# Altium PCB PCB1.PcbDoc (part 4 of 9)
Units mil, origin at the board's own origin, x right, y up, seen from the top; angles counter-clockwise.
Board outline 6000 x 4000 mil, 7 copper layers (Top Layer, InternalPlane1, MidLayer1, InternalPlane2, Internal Plane 3, MidLayer2, Bottom Layer); 389 components, 0 nets, 1750 pads, 1189 vias.
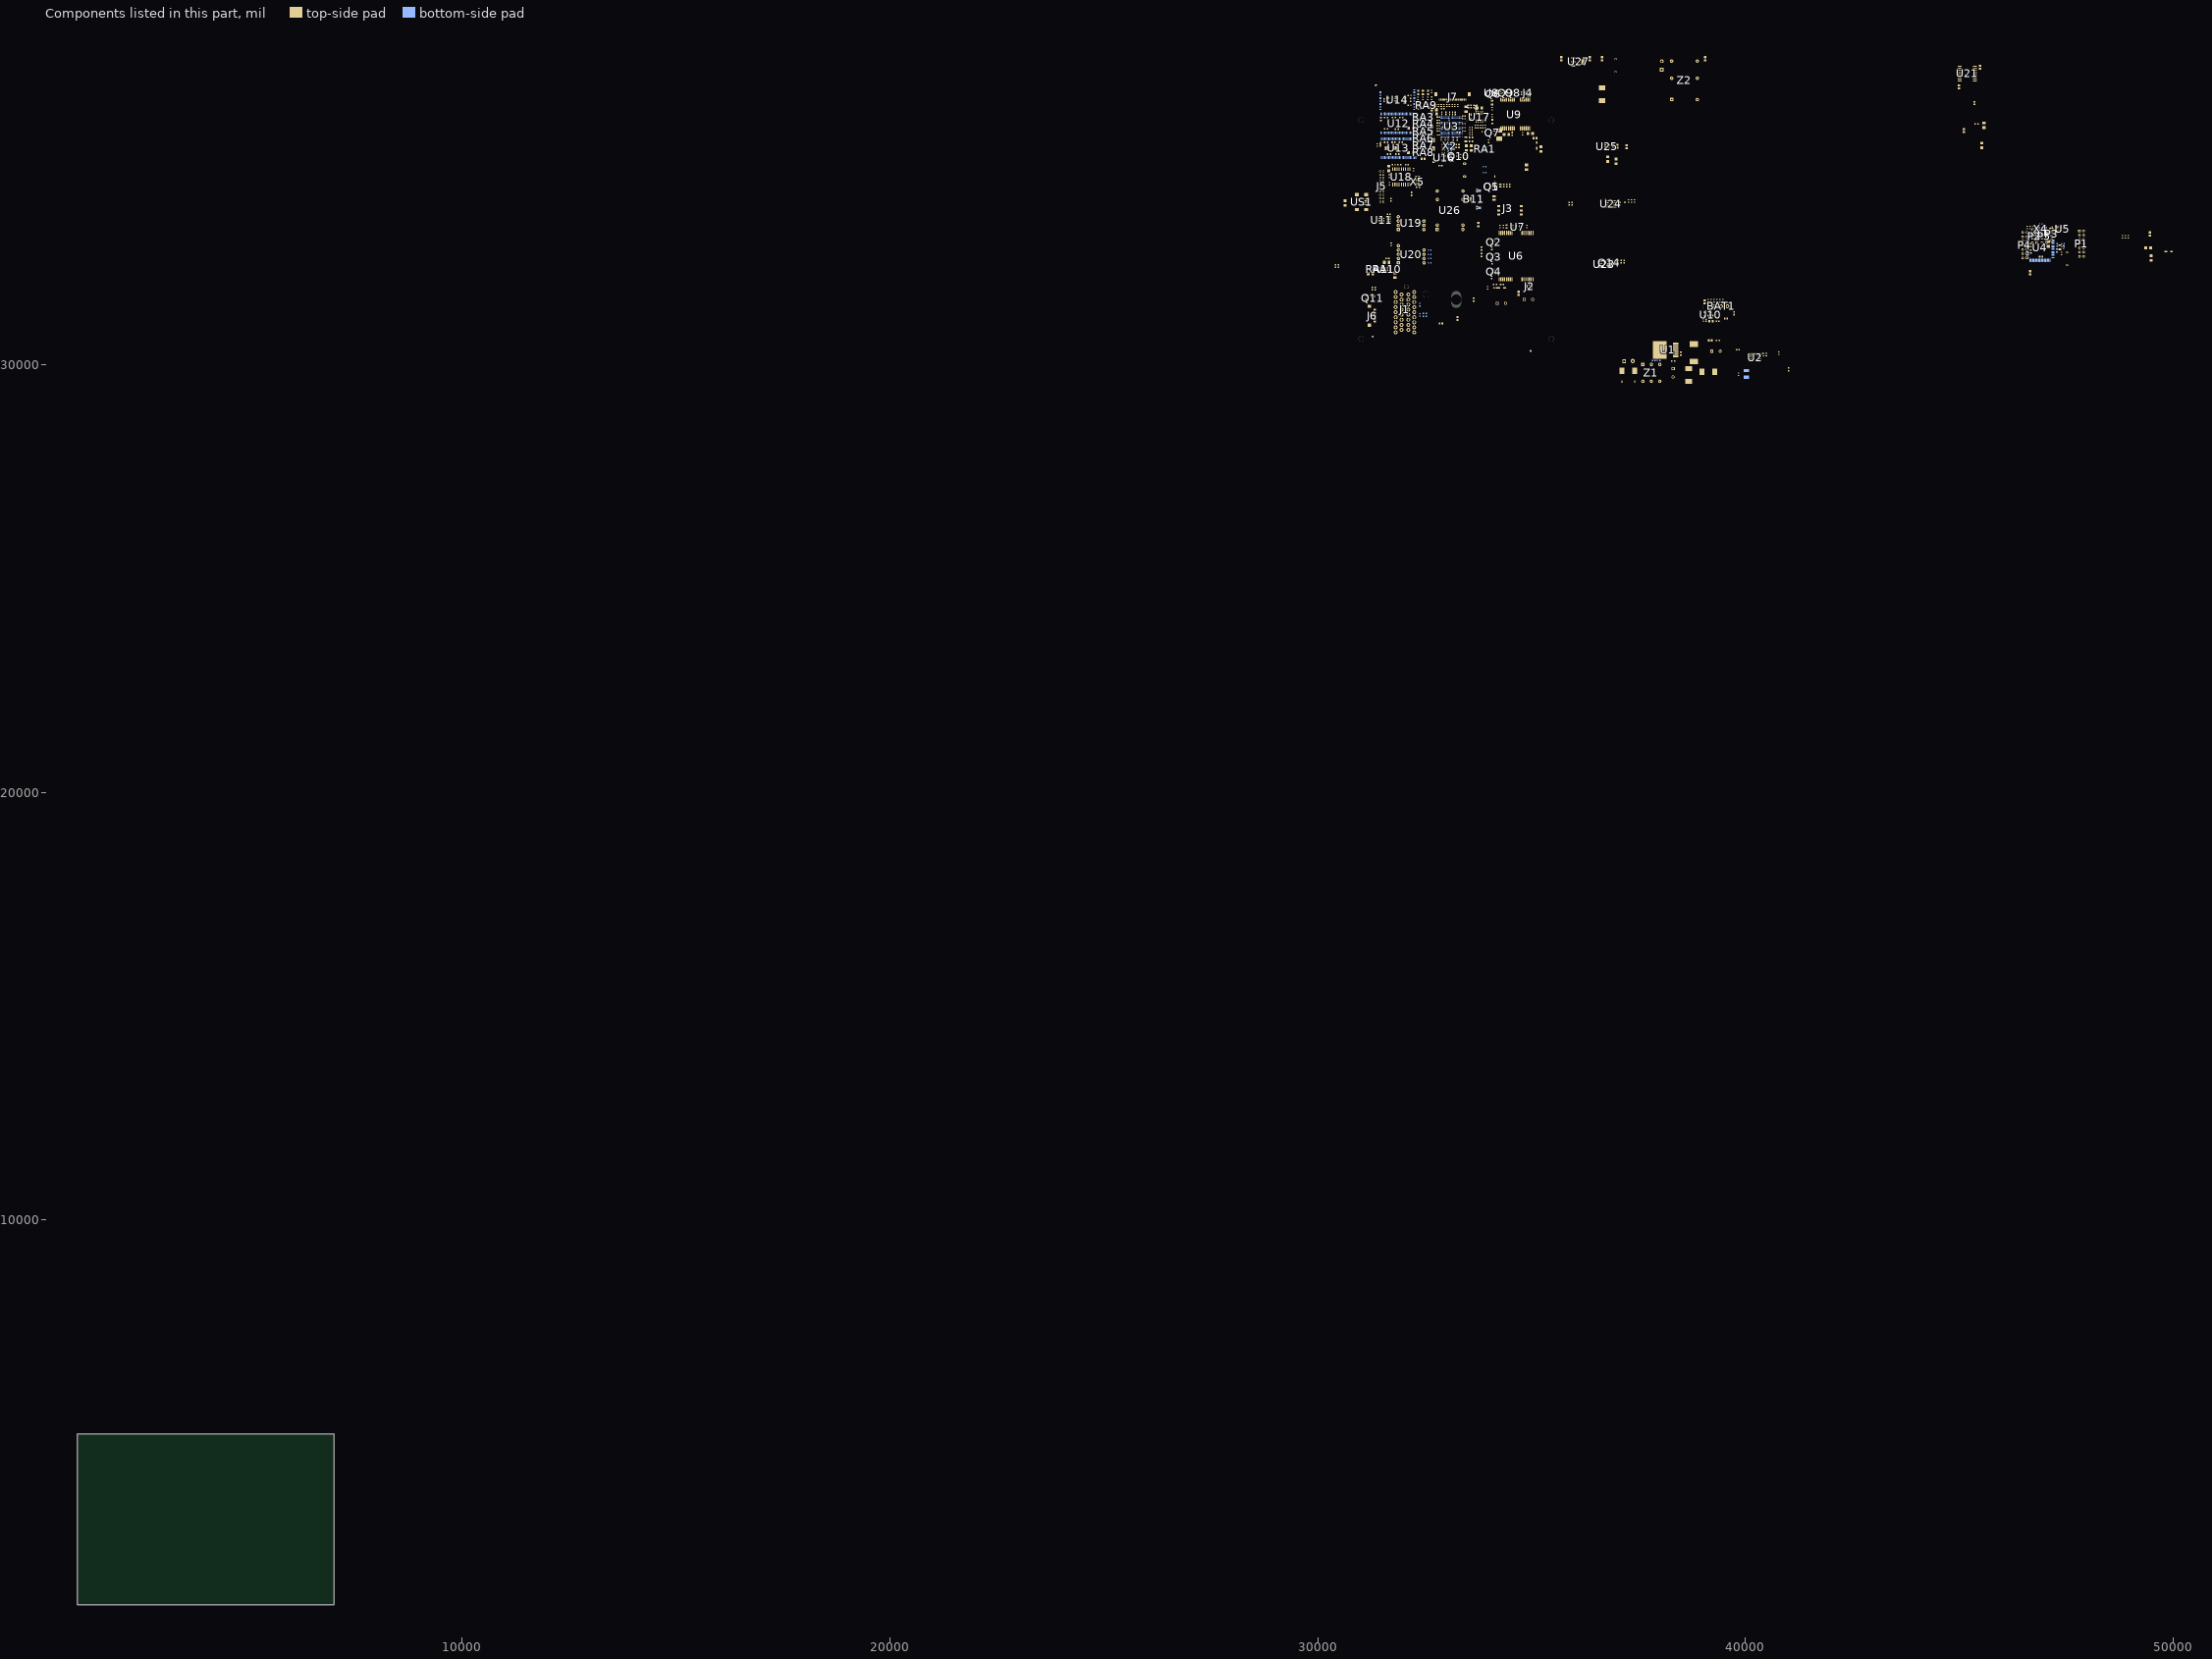
[diagram p9: the components of this part, seen from the top]

## Via types
v1: diameter 18, hole 10, Top Layer to Bottom Layer, tented both sides, 402 vias
v2: diameter 20, hole 10, Top Layer to Bottom Layer, tented both sides, 376 vias
v3: diameter 25, hole 15, Top Layer to Bottom Layer, tented both sides, 361 vias
v4: diameter 23.62, hole 11.81, Top Layer to Bottom Layer, tented both sides, 45 vias
v5: diameter 50, hole 28, Top Layer to Bottom Layer, tented both sides, 4 vias
v6: diameter 30, hole 15, Top Layer to Bottom Layer, tented both sides, 1 vias

## Nets (pads, with @x,y where several pads share a name; then routed paths per layer and width w, separated by ;. In a path a pad name is that pad's centre, name@x,y a point inside that pad or via, vN(x,y) a via of type N, cw(c..) or ccw(c..) an arc to the next point about the centre after c; other vN are vias at no path point) (continued)
copper on no net: (continued)
  Top Layer w25: 31463.53,33822.35 31542.27,33822.35 31544.22,33822.35 31545.56,33821.01 ; v1(31615.99,34540.93) 31667.58,34540.93 ; 31685.32,32423.37 v4(31722.72,32423.37) ; 31687.29,32379.08 31694.18,32372.19 v4(31722.72,32372.19) ; 31689.26,32388.92 31679.42,32398.76 ; v1(31715.81,33964.68) 31715.81,33918.88 31744.35,33947.43 ; v4(31722.72,32398.76) 31679.42,32398.76 ; 31735.49,33938.56 ccw(c31710.32,33963.72) v1@31745.91,33963.72 ; v1@31739.93,33961.25 ccw(c31773.31,33994.62) 31773.31,33947.43 ; v1@31745.07,33966 cw(c31734.68,33957.1) 31744.35,33947.43 ; 31807.37,32155.65 31884.14,32232.43 31884.14,32384 ; 31853.6,33856.88 31912.58,33856.88 32010.1,33954.39 32010.1,33965.14 ; 31853.6,33947.43 31744.35,33947.43 ; 31880.2,32381.05 31769.97,32491.28 31663.67,32491.28 31663.67,32414.51 31679.42,32398.76 ; 31946.12,34681.68 v1(31980.57,34681.68) ; 32053.41,34046.84 32010.1,34003.53 32010.1,33965.14 ; 32057.94,34222.03 32057.94,34284.63 32112.15,34338.85 32294.86,34338.85 32306.36,34327.35 32306.36,34402.15 ; 32107.94,34222.03 32107.94,34275.58 32126.79,34294.43 32179.83,34294.43 32284.22,34190.04 32328.51,34190.04 32369.35,34230.89 32369.35,34240.73 ; v5@32191.25,34088.74 cw(c32167.59,34065.09) 32201.05,34065.09 ; 32219.75,33851.95 32198.12,33873.58 32198.12,33965.14 32010.1,33965.14 ; v1(32268.98,34635.13) 32268.98,34601.95 32269.97,34600.97 32319.16,34600.97 ; v4(32408.72,34655.1) 32445.14,34655.1 ; v4@32444.65,34699.88 cw(c32464.86,34679.67) 32464.86,34708.25 ; v4(32480.57,34655.1) 32445.14,34655.1 ; 32482.54,34572.42 32525.85,34615.73 32611.48,34615.73 32617.38,34621.64 32617.38,34708.25 ; 32558.33,34708.25 32454,34708.25 v4(32445.14,34699.39) 32445.14,34655.1 ; v1(32615.68,35921.4) 32670.63,35921.4 32670.63,35968 ; v1(32615.68,35951.67) 32650.17,35951.67 32668.57,35970.06 ; v6(32650.85,35631.48) 32670.53,35611.8 32670.53,35566.52 ; v1(32656.23,34369.67) 32704.02,34369.67 ; v1(32715.81,34311.19) 32715.81,34369.67 32730.57,34354.91 32866.4,34354.91 32872.31,34349 32872.31,34486.8 ; 32801.03,35596.7 32801.03,35658.83 ; 32815.22,34658.06 32815.22,34627.54 32918.57,34524.2 ; v1(32819.57,34771.2) 32844.75,34796.38 32844.75,34802.74 32914.63,34802.74 32921.52,34795.85 ; 32824.08,34486.8 32872.31,34486.8 ; 32906.75,35911.88 v1(32906.75,35944.99) ; 32918.57,34449.39 32971.72,34449.39 33001.24,34419.87 33001.24,34349 32931.36,34349 ; 32933.33,34658.06 32975.65,34615.73 33013.05,34615.73 33016.01,34618.69 33029.79,34604.91 33095.73,34604.91 ; 33001.75,35911.88 v1(33001.75,35941.04) ; 33065.22,34348.02 33065.22,34416.92 33068.17,34419.87 ; 33090.75,35911.88 v1(33090.75,35940.47) ; v1(33095.73,34505.09) 33095.73,34515.86 ; 33095.73,34537.98 33095.73,34515.86 ; 33098.71,34599.55 33098.71,34604.91 33098.71,34691.5 ; 33159.75,35911.88 v1(33159.75,35940.58) ; 33220.75,35911.88 v1(33220.75,35941.51) ; 33604.61,32914.51 33604.61,32844.63 33654.42,32794.83 33654.42,32748.17 33654.42,32713.33 33554.42,32613.33 33554.42,32402.7 33612.49,32344.63 ; 33716.82,35302.31 33718.79,35302.31 33718.79,35203.88 33754.22,35168.45 33806.39,35168.45 ; 33724.69,33661.56 33727.65,33664.51 33727.65,33678.29 33727.65,33819.04 ; 33727.65,34078.29 33727.65,33819.04 ; 33787.68,33819.04 33785.22,33819.04 33727.65,33819.04 ; 34137.1,35466.68 v2(34137.1,35498.17) ; 34161.7,36375.14 v2(34205.99,36375.14) ; 34184.34,31797.39 34184.34,31897.78 34244.38,31957.82 34244.38,32005.06 ; v2(34279.81,36309.2) 34279.81,36335.77 ; v2(34361.5,35338.72) 34361.5,35385.97 ; 34549.5,35369.24 34561.31,35369.24 34627.25,35435.18 34627.25,35437.15 ; 34549.5,35436.16 34549.5,35532.66 ; 34550.44,35533.61 v2(34550.44,35596.56) ; v2(34684.34,35399.75) 34721.74,35399.75 34767.02,35399.75 34787.69,35379.08 ; v2(34689.26,35469.63) 34721.74,35437.15 34786.7,35437.15 ; 34721.74,35362.35 34747.33,35336.76 34900.87,35336.76 34916.62,35352.5 34916.62,35382.03 ; 34770.95,36387.94 34823.12,36387.94 34849.69,36361.36 ; 34829.97,35533.61 34829.97,35474.59 34843.79,35460.77 34843.79,35436.17 ; v2@34857.05,36417.97 ccw(c34863.38,36448.07) 34885.13,36426.32 ; 34857.57,36360.38 34857.57,36398.76 ; v2(34857.57,36420.42) 34857.57,36398.76 ; v2@34859.62,36421.85 cw(c34844.8,36411.53) 34857.57,36398.76 ; v2@34873.28,36142.86 34873.28,36202.9 34873.28,36338.76 ; 34899.89,33265.89 v2(34899.89,33296.4) ; 34916.58,35533.61 v2(34916.58,35596.56) ; 34916.62,36309.2 34916.62,36207.82 34917.61,36206.83 ; 34959.89,35533.61 v2(34959.89,35596.56) ; v2(34959.89,36142.82) 34959.89,36202.9 34959.89,36347.54 ; 34966.82,36410.57 34951.07,36426.32 ; 34975.68,36360.38 v2(34975.68,36419.43) ; v2@34975.83,36416.94 cw(c34973.87,36449.12) 34951.07,36426.32 ; v2(37815,30175.81) 37871.49,30175.81 ; v2(37815,30211.87) 37863.35,30211.87 ; v2(37815,30245.33) 37896.81,30245.33 ; v2(37815,30281.12) 37932.6,30281.12 ; v2(37815,30318.17) 37969.65,30318.17 ; v2(37815,30350.65) 38002.13,30350.65 38374.17,30350.65 ; v2(37815,30383.48) 37969.29,30383.48 ; v2(37815,30417.57) 37935.2,30417.57 ; v2(37815,30451.4) 37901.38,30451.4 ; v2(37815,30481.55) 37871.22,30481.55 ; v2(37815,30516) 37836.77,30516 ; v2(37815,30545.53) 37835.22,30545.53 ; 38374.17,30200.65 38663.95,30200.65 38987.95,29876.65 38987.95,29835.65 ; 38374.17,30300.65 38486.42,30300.65 38492.84,30294.23 ; 38374.17,30450.65 38456.42,30450.65 ; 39192.16,31226.72 39192.16,31272.98 39236.65,31317.47 39236.65,31366.49 ; 39219.21,30565.88 39219.21,30575.73 ; 39228.07,30576.71 39330.43,30576.71 ; 39234.68,31364.52 39236.65,31366.49 ; 39236.65,31372.39 39236.65,31366.49 ; 39248.26,31141.33 39298.69,31090.9 39448.46,31090.9 39554.36,31196.8 ; 39667.55,31054.48 39668.54,31055.46 39674.44,31061.37 39674.44,31251.33 39585.86,31339.91 39486.45,31339.91 39393.93,31432.43 39302.59,31432.43 39236.65,31366.49 ; v1(45292.59,36871.89) 45340.82,36871.89 ; v1(45404.8,36933.9) 45404.8,36958.7 ; 46458.09,32332.62 v2(46516.94,32332.62) ; 46458.09,32432.62 v2(46515.37,32432.62) ; 46681.51,32682.82 46755.33,32682.82 46761.24,32688.72 v2(46809.46,32688.72) ; 46681.51,32766.48 46749.43,32766.48 46761.24,32778.29 v2(46812.42,32778.29) ; 46681.51,32833.41 v2(46681.51,32864.91) ; v2(46712.02,32888.53) 46761.24,32888.53 ; v2(46869.5,32817.66) 46869.5,32868.84 46874.43,32873.76 46874.43,32953.49 ; 46941.35,32953.49 46941.35,32924.95 46979.74,32886.56 46979.74,32868.84 v2(46979.74,32821.6) ; 47339.98,32634.59 47340.96,32633.61 47400.02,32633.61 v2(47444.31,32633.61) ; 47379.35,33004.67 v2(47379.35,33041.09) ; 47422.65,33173.96 47492.54,33173.96 47495.49,33176.91 v2(47495.49,33209.39) ; 32872.31,34486.8 32959.9,34486.8 32978.6,34505.5 33013.05,34505.5 33085.36,34505.5 33095.73,34515.86 ; 34857.57,36398.76 34885.13,36426.32 ; 34885.13,36426.32 34951.07,36426.32
  Top Layer w29.53: 32715.81,34479.91 32733.53,34479.91 32752.23,34498.61 32777.82,34524.2 32824.08,34524.2 ; 32718.76,34482.86 32718.76,34585.22 ; v2(32975.68,34714.71) 33000.28,34690.1 33018.98,34690.1 ; v2(32997.33,34733.41) 32999.3,34733.41 33030.8,34701.91 ; v2@32997.52,34728.65 ccw(c32996.49,34754.08) v2(33021.94,34754.08) 33021.94,34717.66 33027.84,34711.76 ; v2@32999.09,34737.84 cw(c32985.75,34704.2) 33021.94,34704.2 ; 47043.72,32204.47 47072.26,32175.93 47181.51,32175.93 ; 47276,32175.93 47354.74,32175.93 47359.66,32180.85
  Top Layer w39.37: 31152.84,31518.84 31112.49,31478.49 31112.49,31300.34 31131.19,31281.64 31337.88,31281.64 ; 31296.54,31525.73 31424.5,31397.78 31424.5,31260.97 31386.11,31222.58 31337.88,31222.58 ; 31558.35,36229.47 31575.09,36246.2 31640.05,36246.2 ; 31629.22,36245.22 31634.14,36240.3 31834.93,36240.3 32039.65,36240.3 ; 31807.37,32045.42 31961.9,31890.89 31961.9,31634.98 31963.87,31633.02 ; 32219.75,33741.72 32424.93,33741.72 32492.41,33809.2 ; 32373.29,34402.15 32382.72,34402.15 ; 32381.16,34160.02 32407.21,34160.02 32427.45,34180.26 32427.45,34357.43 32382.72,34402.15 ; v1(32415.09,34402.15) 32382.72,34402.15 ; 32806.62,33287.7 32806.62,33187.7 32801.62,33182.7 32801.62,32817.7 32941.03,32678.29 33394.97,32678.29 33518.98,32802.31 33518.98,32954.87 33572.13,33008.02 ; 33401.62,32817.7 33406.62,32822.7 33406.62,33187.7 ; 33486.07,31661.56 33813.71,31661.56 ; 33497.88,31387.94 33825.52,31387.94 33921.46,31483.87 33921.46,31738.25 v2(33924.5,31741.28) 33963.87,31780.65 ; 33663.67,32914.51 33663.67,32858.41 33665.64,32856.44 ; 33668.59,31666.48 33668.59,31996.2 33668.59,32018.84 v2(33861.5,32211.76) 33924.5,32274.75 ; 33677.45,32868.25 33801.46,32868.25 ; 33682.37,33008.02 33706.98,33008.02 33764.06,32950.93 ; 33718.79,35302.31 v1(33759.14,35302.31) ; 33865.44,31996.2 33963.87,31897.78 33963.87,31839.71 ; 34469.77,34217.66 34589.85,34097.58 34591.82,34099.55 ; 34471.74,35385.97 34471.74,35334.79 34491.43,35315.1 34607.57,35315.1 34627.25,35334.79 34627.25,35362.35 ; v2(34482.57,35440.1) v2@34484.54,35440.1 ; 34484.54,35398.76 v2@34484.54,35440.1 ; 34507.13,35533.61 34484.54,35533.61 v2@34484.54,35440.1 ; 34798.51,31846.6 34798.51,32027.7 ; 34891.03,31821.99 34891.03,32014.91 ; 34894.97,31818.06 34941.23,31771.8 34959.93,31771.8 35013.08,31824.94 ; 34914.65,35396.8 35003.24,35308.21 35050.48,35308.21 ; 35006.19,32000.14 35013.08,31993.25 35015.05,31991.28 35015.05,31826.91 35013.08,31824.94 ; v2(35013.08,31769.83) 35013.08,31824.94 ; 35013.08,31837.74 35013.08,31824.94 ; 35121.35,35259 35121.35,35308.21 v2@35121.35,35358.41 ; 38095.63,29916.67 38313.31,29916.67 38242.84,29987.14 38242.84,30091.47 38242.84,30207.34 38286.14,30250.65 38374.17,30250.65 ; 38314.69,29916.67 38677.88,29916.67 ; 38347.17,30091.47 v2(38400.32,30091.47) ; v5@39445.5,31496.8 39550.43,31496.8 ; v5@39550.43,31412.75 39550.43,31496.8 ; 39565.19,31232.63 39584.87,31212.94 39584.87,31022 ; 39582.91,31023.97 39584.87,31022 ; 39739.4,31244.44 39739.4,31319.24 39757.12,31336.96 ; 39762.04,31097.79 39793.54,31129.28 39793.54,31300.54 39757.12,31336.96 ; 39764.01,31494.44 39764.01,31414.72 39757.12,31407.83 39820.11,31407.83 39892.95,31334.99 39892.95,31227.71 ; 39827,30969.83 39787.63,31009.2 39597.67,31009.2 39584.87,31022 ; 39846.68,31531.84 39858.5,31543.65 ; 39951.02,31519.05 39954.95,31515.11 ; v2(39954.95,31466.88) 39954.95,31515.11 ; 39954.95,31534.8 39954.95,31515.11 ; 46451.2,32801.91 46451.2,32851.32 46451.2,32901.32 ; 46925.61,32200.54 46925.61,32318.65 ; 47047.65,32082.43 47170.69,32082.43 ; 47359.66,32180.85 47359.66,32122.78 47399.03,32083.41 47441.35,32125.73 47441.35,32183.8 ; 47512.22,32183.8 v2(47554.54,32183.8) ; 47584.07,33171.01 47640.17,33227.11 47832.1,33227.11 47916.75,33142.46 ; 39550.43,31496.8 39550.43,31514.13 39727.59,31336.96 39757.12,31336.96
  Top Layer w50: 31545.53,33523.21 31545.53,33566.06 31715.81,33736.34 31715.81,33808.65 31758.13,33766.32 31853.6,33766.32 ; 32087.23,35917.13 32396.59,35917.13 32477.16,35836.56 32477.16,34947.43 32500.28,34924.3 ; 32123.32,34960.77 32123.32,34885.97 32186.86,34822.43 32417.61,34822.43 ; 32502.23,34007.47 32619.35,34124.59 32619.35,34310.62 32530.77,34399.2 32530.77,34430.69 32611.48,34511.4 32611.48,34544.87 ; 32586.46,34822.43 32666.19,34742.7 32718.76,34742.7 ; 32611.48,34615.73 32641.01,34615.73 32681.36,34656.09 32718.76,34656.09 32718.76,34742.7 ; v2@32768.55,34742.7 32718.76,34742.7 ; 38456.42,30449.74 38507.6,30449.74 38545,30487.14 38798.94,30487.14 ; 38834.37,30487.14 38998.74,30322.77 39218.23,30322.77 39218.23,30564.9 39219.21,30565.88 39228.07,30574.74
  Top Layer w100: 32258.16,30881.05 32263.08,30876.13 32356.58,30876.13 ; 32264.06,30763.92 32481.58,30763.92 ; 32488.45,33810.62 32489.87,33809.2 32492.41,33809.2 32575.09,33809.2 32644.97,33879.08 32810.32,33879.08 ; 32490.44,33812.15 32446.15,33812.15 32356.58,33901.72 32356.58,34070.02 32484.54,34197.98 32514.06,34197.98 ; 32777.84,31253.92 32777.84,31564.12 ; 32778.2,31562.7 32778.2,31889.28 32802.45,31913.53 ; 32975.05,31562.7 32975.05,31687.5 33205.01,31917.46 33386.11,31917.46 ; 36737.91,30179.07 36834.49,30275.65 37162.95,30275.65 ; 36862.91,30066.87 36886.69,30090.65 37167.95,30090.65 ; 37107.95,30505.65 37159.17,30556.87 ; 37117.95,29610.65 37117.95,29855.37 37142.44,29879.86 ; 37130.63,29859.19 37136.5,29859.19 37367.95,30090.65 ; 37162.95,30285.37 37170,30285.37 ; 37408.19,30501.91 37408.19,30320.88 37362.95,30275.65 37614.77,30275.65 37653.27,30237.14 ; 37417.95,29610.65 37420.43,29613.13 37804.8,29613.13 ; 37417.95,29865.65 37457.95,29865.65 37605.04,30012.73 ; 37804.8,30010.65 37804.8,29616.94 37804.8,29614.11 ; 37806.81,29611.16 37804.84,29613.13 37804.8,29613.17 ; 37810.75,29615.1 37811.73,29614.11 37804.8,29614.11 ; 38001.65,29616.94 38097.25,29712.54 38303.86,29712.54 ; 38001.65,30010.65 38095.63,29916.67 38096.02,29916.28 38317.64,29916.28 ; 38314.69,29915.29 38680.83,29915.29 38684.76,29911.36 ; 38339.29,29721.39 38573.15,29721.39 38677.88,29616.67 39102.68,29616.67 39276.3,29790.29 39276.3,29849.35 39286.14,29859.19 ; 39293.03,29852.3 39415.08,29974.35 39415.08,30322.77 ; 37804.8,29613.17 37804.8,29614.11 ; 37804.8,29613.17 37803.86,29614.11 37804.8,29614.11